# KiCad board PSU.kicad_pcb
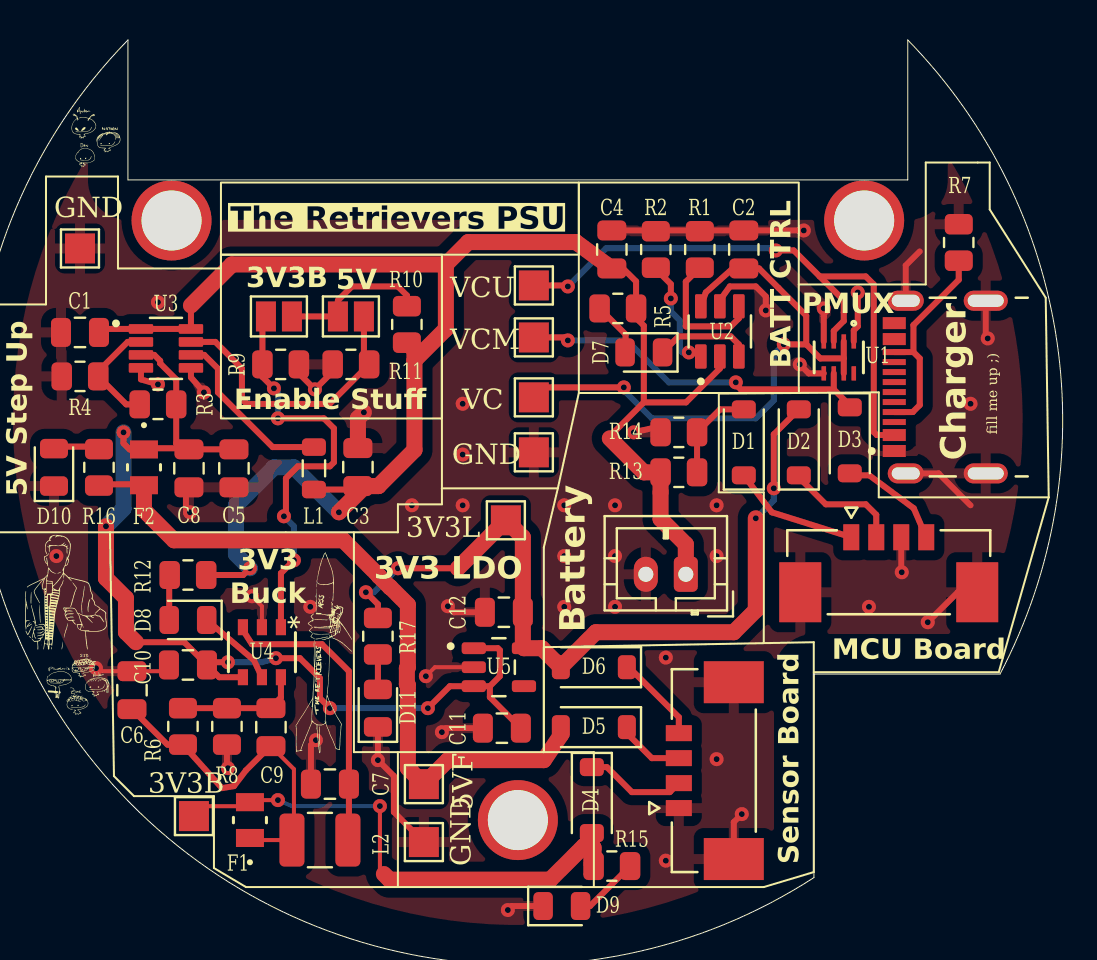
[diagram p0: board, top side]
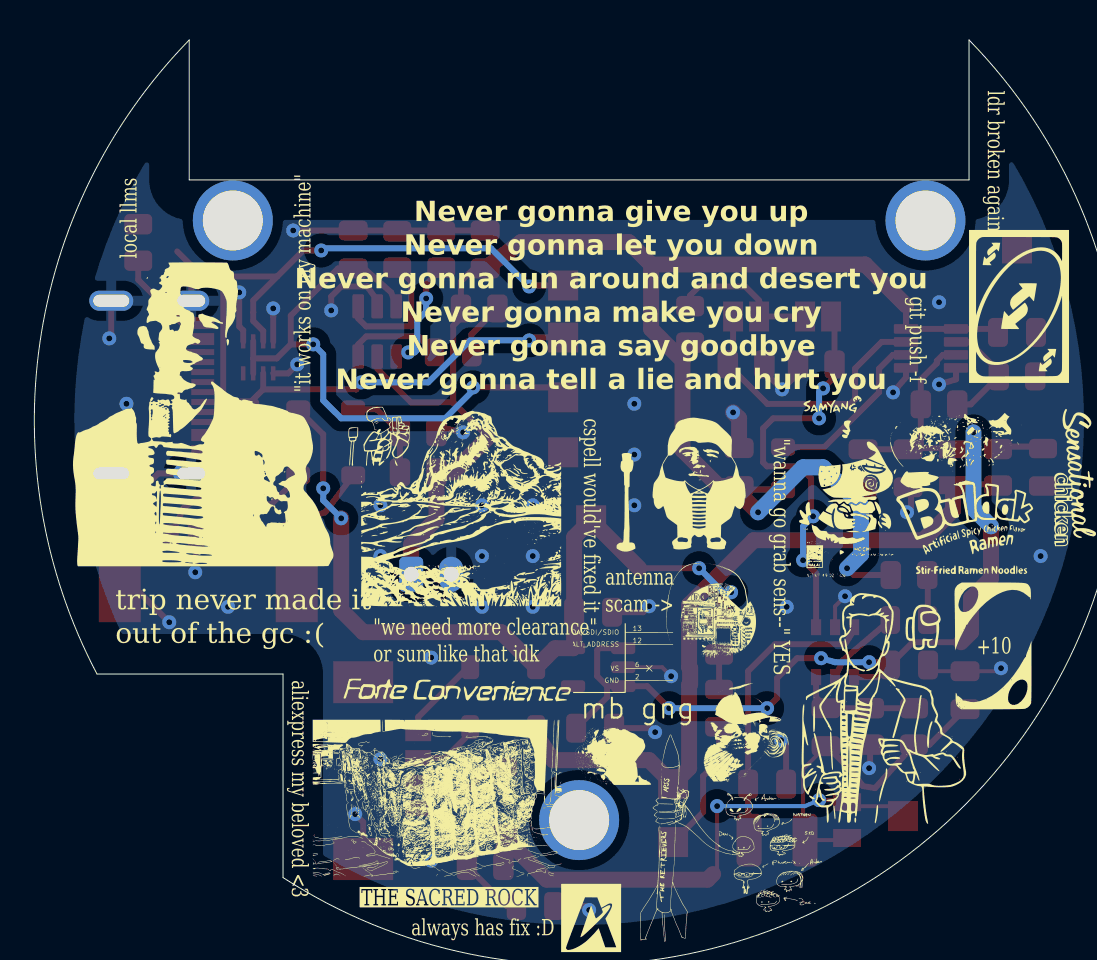
[diagram p1: board, bottom side, seen from below]

Outline 54.5 x 46.28 mm; copper layers: Top, Bottom (plane). Coordinates in mm from the lower left corner of the outline.
Outline path: 7.74,39.29 7.74,46.29 arc(6.16,9.99) 42.05,4.38 42.05,14.56 51.36,14.56 arc(54.21,31.18) 46.74,46.29 46.74,39.29 7.74,39.29
Stack: Top 0.035mm / dielectric 1.51mm FR4 er 4.5 / Bottom 0.035mm

## Placement (name value [footprint] x y rotation side)
3V3_Buck_TP1  TestPoint  [TestPoint_Pad_1.5x1.5mm]  11.04 7.45 0 top
3V3_LDO_TP1  TestPoint  [TestPoint_Pad_1.5x1.5mm]  26.64 22.25 0 top
5V_TP1  TestPoint  [TestPoint_Pad_1.5x1.5mm]  22.54 9.05 0 top
C1  22uF  [C_0805_2012Metric]  5.34 31.65 180 top
C2  1uF  [C_0805_2012Metric]  38.54 35.8 90 top
C3  22uF  [C_0805_2012Metric]  19.24 24.92 270 top
C4  1uF  [C_0805_2012Metric]  31.94 35.8 90 top
C5  22uF  [C_0805_2012Metric]  13.04 24.85 90 top
C6  22uF  [C_0805_2012Metric]  7.94 13.75 270 top
C7  22uF  [C_0805_2012Metric]  17.84 9.05 0 top
C8  22uF  [C_0805_2012Metric]  10.79 24.85 270 top
C9  22pF  [C_0805_2012Metric]  14.89 11.9 90 top
C10  22uF  [C_0805_2012Metric]  10.74 15.02 180 top
C11  1uF  [C_0805_2012Metric]  26.44 11.85 180 top
C12  1uF  [C_0805_2012Metric]  26.54 17.65 180 top
D1  D_Schottky  [D_SOD-123]  38.54 26.15 90 top
D2  D_Schottky  [D_SOD-123]  41.29 26.15 90 top
D3  D_Schottky  [D_SOD-123]  43.84 26.25 270 top
D4  D_Schottky  [D_SOD-123]  30.94 8.25 270 top
D5  D_Schottky  [D_SOD-123]  31.04 11.9 180 top
D6  D_Schottky  [D_SOD-123]  31.04 14.9 180 top
D7  Green  [LED_0805_2012Metric]  33.54 30.65 180 top
D8  Green  [LED_0805_2012Metric]  10.74 17.27 180 top
D9  Green  [LED_0805_2012Metric]  29.44 2.95 0 top
D10  Green  [LED_0805_2012Metric]  4.04 24.9 90 top
D11  Green  [LED_0805_2012Metric]  20.24 12.85 90 top
EN_3V3  EN_5  [SolderJumper-2_P1.3mm_Open_Pad1.0x1.5mm]  15.29 32.45 0 top
EN_5  EN_5  [SolderJumper-2_P1.3mm_Open_Pad1.0x1.5mm]  18.89 32.45 180 top
F1  1.5A  [FUS_VISHAY_MFU0805_VIS]  13.84 7.25 90 top
F2  1.5A  [FUS_VISHAY_MFU0805_VIS]  8.54 24.9 270 top
G***  -  [LOGO]  4.32 18.85 0 top
G***#2  -  [LOGO]  6.99 39.83 0 top
G***#3  -  [LOGO]  17.44 15.45 0 top
G***#4  -  [LOGO]  5.38 15.13 0 top
G***#5  -  [LOGO]  36.64 26.75 180 bottom
G***#6  -  [LOGO]  33.09 13.71 180 bottom
G***#7  -  [LOGO]  6.54 15.95 180 bottom
G***#8  -  [LOGO]  18.94 11.65 180 bottom
G***#9  -  [LOGO]  25.04 15.05 180 bottom
G***#10  -  [LOGO]  33.14 22.95 180 bottom
G***#11  -  [LOGO]  19.68 5.31 180 bottom
G***#12  -  [LOGO]  10.04 16.85 180 bottom
G***#13  -  [LOGO]  21.24 24.25 180 bottom
G***#14  -  [LOGO]  10.24 23.75 180 bottom
G***#15  -  [LOGO]  20.57 17.26 0 bottom
G***#16  -  [LOGO]  34.33 7.99 180 bottom
G***#17  -  [LOGO]  2.45 20.33 270 bottom
G***#18  -  [LOGO]  46.38 27.55 180 bottom
G***#19  -  [LOGO]  5.24 32.95 180 bottom
G***#20  -  [LOGO]  12.64 13.25 180 bottom
G***#21  -  [LOGO]  26.15 10.46 180 bottom
G***#22  -  [LOGO]  26.64 2.35 180 bottom
GND_TP1  TestPoint  [TestPoint_Pad_1.5x1.5mm]  28.04 25.65 0 top
GND_TP2  TestPoint  [TestPoint_Pad_1.5x1.5mm]  5.34 35.85 0 top
GND_TP3  TestPoint  [TestPoint_Pad_1.5x1.5mm]  22.54 6.15 0 top
H1  MountingHole  [MountingHole_3mm_Pad]  9.92 37.25 0 top
H2  MountingHole  [MountingHole_3mm_Pad]  44.56 37.25 0 top
H3  MountingHole  [MountingHole_3mm_Pad]  27.24 7.25 0 top
J1  533980471  [MOLEX_533980471]  37.04 9.73 270 top
J2  533980471  [MOLEX_533980471]  45.79 19.65 180 top
J3  UJ20-C-H-G-SMT-1-P16-TR  [SAMESKY_UJ20-C-H-G-SMT-P16-TR]  50.64 28.92 90 top
J4  B2B-PH-K-S  [JST_PH_B2B-PH-K_1x02_P2.00mm_Vertical]  35.64 19.55 180 top
L1  1u5H  [L_0805_2012Metric]  17.04 24.85 90 top
L2  2u2H  [L_1210_3225Metric]  17.34 6.25 0 top
R1  560  [R_0805_2012Metric]  36.34 35.8 90 top
R2  10K  [R_0805_2012Metric]  34.14 35.8 90 top
R3  30K  [R_0805_2012Metric]  9.24 28.05 180 top
R4  270K  [R_0805_2012Metric]  5.34 29.45 180 top
R5  1K5  [R_0805_2012Metric]  32.24 32.85 180 top
R6  115K  [R_0805_2012Metric]  10.49 11.94 270 top
R7  22K  [R_0805_2012Metric]  49.29 36.15 90 top
R8  25.5K  [R_0805_2012Metric]  12.69 11.94 270 top
R9  1Meg  [R_0805_2012Metric]  15.38 30.05 0 top
R10  1k5  [R_0805_2012Metric]  21.69 32.05 90 top
R11  1Meg  [R_0805_2012Metric]  18.89 30.05 180 top
R12  1K5  [R_0805_2012Metric]  10.74 19.52 0 top
R13  470k  [R_0805_2012Metric]  35.29 24.65 0 top
R14  220k  [R_0805_2012Metric]  35.29 26.65 180 top
R15  10k  [R_0805_2012Metric]  31.94 4.95 0 top
R16  10k  [R_0805_2012Metric]  6.29 24.9 90 top
R17  10k  [R_0805_2012Metric]  20.24 16.45 270 top
U1  LM66200DRLR  [SOT-5X3_DRL_TEX]  43.29 30.4 270 top
U2  -  [BQ21040DBVR]  37.34 31.7 90 top
U3  -  [RT4812GJ8F]  9.64 30.85 0 top
U4  AP3445LW6-7  [SOT26_AP3445_DIO-L]  14.44 15.65 270 top
U5  TLV75733PDBVR  [SOT95P280X145-5N]  26.29 14.9 0 top
Vcharger_MCU_TP1  TestPoint  [TestPoint_Pad_1.5x1.5mm]  28.04 31.4 0 top
Vcharger_TP1  TestPoint  [TestPoint_Pad_1.5x1.5mm]  28.04 28.4 0 top
Vcharger_USB_TP1  TestPoint  [TestPoint_Pad_1.5x1.5mm]  28.04 34 0 top

## Library data of the parts
3V3_Buck_TP1 3V3_LDO_TP1 5V_TP1 GND_TP1-GND_TP3 Vcharger_MCU_TP1 Vcharger_TP1 Vcharger_USB_TP1 = -: Description: test point; ki_fp_filters: Pin* Test*
C1-C12 = -: Description: Unpolarized capacitor; ki_fp_filters: C_*
D1-D6 = -: Description: Schottky diode; ki_fp_filters: TO-???* *_Diode_* *SingleDiode* D_*
D7-D11 = -: Description: Light emitting diode; Sim.Pins: 1=K 2=A; ki_fp_filters: LED* LED_SMD:* LED_THT:*
EN_3V3 EN_5 = -: Description: Solder Jumper, 2-pole, open; ki_fp_filters: SolderJumper*Open*
F1 F2 = -: Description: Fuse, small symbol; ki_fp_filters: *Fuse*
H1-H3 = -: Description: Mounting Hole without connection; ki_fp_filters: MountingHole*
J1 J2 = -: MANUFACTURER: Molex; MAXIMUM_PACKAGE_HEIGHT: 4.7 mm; STANDARD: Manufacturer Recommendations; PARTREV: A
J3 = -: STANDARD: Manufacturer Recommendations; MAXIMUM_PACKAGE_HEIGHT: 3.46mm; MANUFACTURER: Same Sky; PARTREV: 1.0
J4 = -: MANUFACTURER: JST
L1 L2 = -: Description: Inductor; ki_fp_filters: Choke_* *Coil* Inductor_* L_*
R1-R17 = -: Description: Resistor; ki_fp_filters: R_*
U1 = -: Datasheet: https://www.ti.com/lit/gpn/lm66200; ki_fp_filters: SOT-5X3_DRL_TEX SOT-5X3_DRL_TEX-M SOT-5X3_DRL_TEX-L
U3 = -: MANUFACTURER: Richtek Technology; MAXIMUM_PACKAGE_HEIGHT: 1.0 mm; STANDARD: IPC 7351B; PARTREV: March 2019
U4 = -: ki_fp_filters: SOT26_AP3445_DIO SOT26_AP3445_DIO-M SOT26_AP3445_DIO-L
U5 = -: Datasheet: https://www.ti.com/cn/lit/gpn/tlv757p; Description: Output Type:Fixed Voltage - Supply:5.5V Output Voltage:3.3V Output Voltage:3.3V Output Current:1A Power Supply Rejection Ratio (PSRR):46dB@(100kHz) Voltage Dropout:650mV@(1A) standby current:40uA Noise:71.5uVrms Features:Under Voltage Lockout；Soft Start；O; LCSC Part Name: 具有使能功能的 1A、低 IQ、高精度、低压降稳压器; Supplier: LCSC; Supplier Part: C485517; Manufacturer: TI(德州仪器)

## Footprints (pads in the part's own frame, mm; a bottom-side part is the same pattern mirrored in y, then rotated)
BQ21040DBVR
  rrect 1.21x0.58 smd: 1(-1.255,0.95) 2(-1.255,0) 3(-1.255,-0.95) 4(1.255,-0.95) 5(1.255,0) 6(1.255,0.95)
C_0805_2012Metric
  rrect 1x1.45 smd: 1(-0.95,0) 2(0.95,0)
D_SOD-123
  rrect 0.9x1.2 smd: 1(-1.65,0) 2(1.65,0)
FUS_VISHAY_MFU0805_VIS
  rect 0.902x1.397 smd: 1(-0.895,0) 2(0.895,0)
JST_PH_B2B-PH-K_1x02_P2.00mm_Vertical
  rrect 1.2x1.75 hole 0.75: 1(0,0)
  oval 1.2x1.75 hole 0.75: 2(2,0)
L_0805_2012Metric
  rrect 0.875x1.2 smd: 1(-1.062,0) 2(1.062,0)
L_1210_3225Metric
  rrect 1.25x2.65 smd: 1(-1.4,0) 2(1.4,0)
LED_0805_2012Metric
  rrect 0.975x1.4 smd: 1(-0.938,0) 2(0.938,0)
MOLEX_533980471
  rect 0.8x1.3 smd: 1(1.875,-1.75) 2(0.625,-1.75) 3(-0.625,-1.75) 4(-1.875,-1.75)
  rect 2.1x3 smd: S1(-4.425,1) S2(4.425,1)
MountingHole_3mm_Pad
  round 4 hole 3: 1(0,0)
R_0805_2012Metric
  rrect 1.025x1.4 smd: 1(-0.912,0) 2(0.912,0)
RT4812GJ8F
  rrect 1.22x0.48 smd: 1(-1.25,0.975) 2(-1.25,0.325) 3(-1.25,-0.325) 4(-1.25,-0.975) 5(1.25,-0.975) 6(1.25,-0.325) 7(1.25,0.325) 8(1.25,0.975)
SAMESKY_UJ20-C-H-G-SMT-P16-TR
  rect 0.6x1.15 smd: A1_B12(-3.2,4.575) A4_B9(-2.4,4.575) A9_B4(2.4,4.575) A12_B1(3.2,4.575)
  rect 0.3x1.15 smd: A5(-1.25,4.575) A6(-0.25,4.575) A7(0.25,4.575) A8(1.25,4.575) B5(1.75,4.575) B6(0.75,4.575) B7(-0.75,4.575) B8(-1.75,4.575)
  oval 1x1.8 hole 0.6x1.4: SH1(-4.32,4) SH3(4.32,4)
  oval 1x2.2 hole 0.6x1.8: SH2(-4.32,0) SH4(4.32,0)
SolderJumper-2_P1.3mm_Open_Pad1.0x1.5mm
  rect 1x1.5 smd: 1(-0.65,0) 2(0.65,0)
SOT26_AP3445_DIO-L
  rect 0.8x0.508 smd: 1(-1.251,0.95) 2(-1.251,0) 3(-1.251,-0.95) 4(1.251,-0.95) 5(1.251,0) 6(1.251,0.95)
SOT95P280X145-5N
  rrect 1.21x0.59 smd: 1(-1.255,0.95) 2(-1.255,0) 3(-1.255,-0.95) 4(1.255,-0.95) 5(1.255,0.95)
SOT-5X3_DRL_TEX
  rect 0.711x0.229 smd: 1(-0.8,0.75) 2(-0.8,0.25) 3(-0.8,-0.25) 4(-0.8,-0.75) 5(0.8,-0.75) 6(0.8,-0.25) 7(0.8,0.25) 8(0.8,0.75)
TestPoint_Pad_1.5x1.5mm
  rect 1.5x1.5 smd: 1(0,0)

## Nets
+3V3_Buck: 3V3_Buck_TP1.1 D4.2 F1.2 R15.1
+3V3_LDO: 3V3_LDO_TP1.1 C12.1 D2.2 D6.2 R17.1 U5.5
+5VF: 5V_TP1.1 D5.2 F2.2 R16.1
+5VU: C5.2 C8.1 C10.1 C11.1 F2.1 R3.1 U3.3 U4.4 U5.1 U5.3
GND: C1.2 C2.2 C3.1 C4.2 C5.1 C6.1 C7.1 C8.2 C10.2 C11.2 C12.2 D9.1 D10.1 D11.1 GND_TP1.1 GND_TP2.1 GND_TP3.1 J1.1 J1.S1 J1.S2 J2.3 J2.S1 J2.S2 J3.A1_B12 J3.SH1 J3.SH2 J3.SH3 J3.SH4 J4.2 R1.2 R2.2 R4.2 R7.2 R8.2 R9.2 R11.2 R14.2 U1.1 U1.4 U1.5 U2.5 U3.4 U3.5 U4.2 U5.2
Vbat: C1.1 C3.2 C4.1 J4.1 L1.1 R5.1 R10.1 R12.2 R13.1 U2.2 U3.1 U3.8
/Bat_ADC: D1.2 R13.2 R14.1
EN_3.3: EN_3V3.1 R9.1 U4.1
EN_5: EN_5.1 R11.1 U3.7
Vcharger: C2.1 U1.2 U1.7 U2.6 Vcharger_TP1.1
Vcharger_MCU: D3.1 U1.6 Vcharger_MCU_TP1.1
Vcharger_USB: J3.A4_B9 U1.3 Vcharger_USB_TP1.1
Net-(C6-Pad2): C6.2 C9.1 F1.1 L2.1 R6.2
Net-(D1-K): D1.1 J2.1
Net-(D2-K): D2.1 J2.2
Net-(D3-A): D3.2 J2.4
Net-(D4-K): D4.1 J1.2
Net-(D5-K): D5.1 J1.3
Net-(D6-K): D6.1 J1.4
Net-(D7-A): D7.2 R5.2
Net-(D7-K): D7.1 U2.3
Net-(D8-A): D8.2 R12.1
Net-(D8-K): D8.1 U4.5
Net-(D9-A): D9.2 R15.2
Net-(D10-A): D10.2 R16.2
Net-(D11-A): D11.2 R17.2
Net-(EN_3V3-B): EN_3V3.2 EN_5.2 R10.2
Net-(J3-CC1): J3.A5 J3.B5 R7.1
Net-(U2-ISET): R1.1 U2.4
Net-(U2-TS): R2.1 U2.1
Net-(U3-FB): R3.2 R4.1 U3.2
Net-(U3-SW): L1.2 U3.6
Net-(U4-FB): C9.2 R6.1 R8.1 U4.6
Net-(U4-LX): C7.2 L2.2 U4.3

Pads without a net: H1 1; H2 1; H3 1; J3 A6 A7 A8 A9_B4 A12_B1 B6 B7 B8; U1 8; U5 4

## Via types
v1: diameter 0.7, hole 0.3, Top to Bottom, 70 vias

## Routing (per net, layer and track width the routed paths; a pad name or vN(x,y) marks a point on that pad's centre or on a via; arc(x,y) is an arc through that point)
+3V3_Buck: length 26.4
  Top w0.2: 30.63,4.55 R15.1 ; 20.54,4.55 20.34,4.75 v1(20.34,7.95) ; 11.31,7.8 11.46,7.95 13.64,7.95 F1.2 13.95,8.25 v1(15.24,8.25)
  Top w0.8: 30.93,5.05 R15.1 31.03,5.87 30.94,5.95 ; D4.2 30.94,5.95 ; 30.94,5.95 30.54,5.95 28.86,4.27 20.83,4.27 20.54,4.55
  Bottom w0.2: v1(15.24,8.25) 15.94,7.95 v1(20.34,7.95)
+3V3_LDO: length 40.9
  Top w0.3: R17.1 20.24,18.05 v1(19.64,18.65) ; v1(40.04,23.85) 40.04,26.55 D2.2 ; v1(21.24,19.85) 24.24,19.85
  Top w0.8: v1(39.14,22.35) 39.14,17.75 38.04,16.65 31.14,16.65 D6.2 28.44,15.85 U5.5 27.49,15.91 C12.1 27.49,21.4 3V3_LDO_TP1.1 24.24,19.85
  Bottom w0.3: v1(40.04,23.85) 40.04,23.25 v1(39.14,22.35) ; v1(19.64,18.65) 20.04,18.65 v1(21.24,19.85)
+5VF: length 36.5
  Top w0.3: F2.2 8.48,24.01 8.43,24.05 6.31,24.05 6.29,24.04 R16.1
  Top w0.8: F2.2 8.54,22.76 10.05,21.25 18.52,21.25 20.29,19.48 20.29,19.46 20.85,18.9 20.87,18.9 21.74,18.03 21.74,14.9 21.69,14.85 21.69,14.06 21.74,14.01 21.74,9.85 5V_TP1.1 23.74,10.25 28.54,10.25 29.39,11.5 D5.2
+5VU: length 52.4
  Top w0.3: 25.84,13.95 U5.3 23.84,13.95 v1(22.74,12.85) ; 25.84,13.95 26.34,14.45 26.34,15.75 26.24,15.85 U5.1 ; 25.84,13.95 25.84,13.4 C11.1 ; F2.1 7.83,25.8 7.52,26.11 v1(7.52,26.65) ; v1(12.74,15.15) 11.83,15.15 C10.1 ; C10.1 10.56,16.15 8.14,16.15 ; C10.1 12.31,14.4 U4.4 ; C10.1 11.64,14.97 ; 8.24,25.86 10.39,25.86 10.44,25.8 ; 10.44,25.8 10.16,26.09 R3.1 10.16,29.3 9.36,30.11 9.36,30.23 9.06,30.53 U3.3 ; 10.44,25.8 12.84,25.8 ; v1(17.84,12.85) 17.34,13.35 17.34,14.35 16.34,15.35 v1(15.14,15.35)
  Top w0.8: v1(6.64,21.95) 6.64,19.35 7.64,18.35 7.64,16.65 8.14,16.15 ; 27.44,11.9 C11.1
  Bottom w0.3: v1(17.84,12.85) v1(22.74,12.85) ; v1(15.14,15.35) 14.44,15.15 v1(12.74,15.15)
  Bottom w0.8: v1(6.64,21.95) 7.52,22.83 v1(7.52,26.65)
GND: length 70.2
  Top w0.2: C10.2 9.48,14.7 C6.1 6.29,14.7 v1(6.14,14.85) ; U5.2 23.09,14.9 v1(22.64,14.45) ; U4.2 14.44,17.95 v1(13.94,18.45)
  Top w0.3: U1.1 44.04,31.75 44.24,31.95 v1(44.24,33.65) ; v1(9.24,29.05) 8.39,29.3 U3.4 ; 47.34,35.7 46.64,35 J3.SH3 ; J3.SH4 50.64,31.45 v1(50.74,31.35) ; v1(41.34,30.05) 41.79,29.6 U1.5 ; R11.2 17.98,29.69 v1(17.09,28.8) 16.29,29.6 R9.2 ; R14.2 34.38,26.69 34.17,26.91 v1(33.04,26.65) ; v1(39.64,32.75) 39.64,33.45 39.14,33.95 37.84,33.95 37.34,33.26 U2.5 ; v1(47.74,17.15) 49.24,18.65 J2.S1 ; 49.88,23 48.29,24.6 J3.SH1 ; v1(46.44,19.65) 46.42,19.68 J2.3 ; C12.2 24.04,17.65 v1(23.74,17.95) ; D9.1 26.94,2.95 v1(26.74,2.75) ; v1(11.54,28.65) 10.89,29.4 U3.5 ; v1(12.74,9.85) 12.69,9.9 R8.2 ; v1(42.54,32.85) 42.54,32.45 U1.4 ; C8.2 10.64,23.75 10.64,22.85 v1(10.84,22.65) ; v1(38.44,7.55) 38.04,7.15 J1.S2 ; v1(41.54,36.75) C2.2 C4.2 ; v1(17.14,11.25) 16.89,11 C7.1 ; GND_TP3.1 21.05,7.65 21.05,9.45 v1(20.24,10.25) D11.1 ; v1(23.44,11.65) 23.64,11.85 C11.2
  Top w0.8: C3.1 19.24,27.35 v1(19.54,27.65)
  vias: v1(4.16,20.46) v1(9.24,33.16) v1(16.86,17.92) v1(21.94,23) v1(24.48,28.08) v1(24.48,25.54) v1(24.48,23) v1(29.56,23) v1(29.56,20.46) v1(29.56,17.92) v1(32.1,23) v1(32.1,20.46) v1(32.1,17.92) v1(34.64,15.38) v1(34.64,5.22) v1(37.18,23) v1(37.18,20.46) v1(37.18,10.3) v1(44.8,17.92) v1(49.88,28.08)
Vbat: length 84.6
  Top w0.3: v1(13.84,19.85) 13.51,19.52 R12.2 ; 33.54,28.15 35.65,28.15 37.34,29.84 37.34,30.45 ; 33.54,28.15 31.84,26.45 31.84,26.35 ; 33.54,28.15 33.54,31.99 33.16,32.38 R5.1 33.16,34.2 32.51,34.85 C4.1 ; 10.89,33 U3.8 U3.1 6.47,31.83 C1.1 ; C3.2 19.07,23.79 17.24,23.79
  Top w0.8: 22.07,30.25 22.07,30.76 R10.1 ; 22.07,30.25 22.07,25.77 20.27,23.97 ; 22.07,30.25 23.64,31.83 23.64,35.05 ; 20.27,23.97 C3.2 ; 20.27,23.97 19.61,23.97 v1(18.29,22.65) ; 31.84,26.35 33.54,24.65 R13.1 34.38,22.32 35.64,21.05 J4.1 ; 23.64,35.05 12.94,35.05 10.89,33 ; 23.64,35.05 24.77,36.18 30.14,36.18 C4.1
  Bottom w0.8: v1(13.84,19.85) 13.14,20.55 13.14,23 15.04,24.9 16.04,24.9 v1(18.29,22.65)
/Bat_ADC: length 4.8
  Top w0.3: D1.2 37.36,27.8 R14.1 R13.2
EN_3.3: length 21
  Top w0.3: EN_3V3.1 14.47,32.28 R9.1 14.47,29.43 v1(15.04,28.85) ; v1(15.24,27.35) 17.54,27.35 18.04,26.85 18.04,25.15 17.84,24.95 16.24,24.95 15.64,24.35 15.64,22.55 v1(15.54,22.45) 15.44,22.55 ; v1(16.04,20.25) 15.39,19.6 U4.1
  Bottom w0.3: v1(15.24,27.35) 15.24,28.65 v1(15.04,28.85) ; v1(16.04,20.25) 16.04,21.95 v1(15.54,22.45)
EN_5: length 14.4
  Top w0.3: 10.89,31.18 12.11,31.18 13.44,29.85 13.44,28.32 13.68,28.08 17.83,28.08 R11.1 19.54,30.32 EN_5.1
Vcharger: length 29.8
  Top w0.3: v1(40.54,31.06) 41.67,31.06 ; 41.67,31.06 41.67,32.49 39.31,34.85 C2.1 37.99,34.85 36.64,33.65 U2.6 ; 41.67,31.06 42.37,30.35 43.54,30.35 ; v1(32.54,28.9) 28.54,28.9 Vcharger_TP1.1 ; 43.54,30.35 U1.7 ; 43.54,30.35 U1.2
  Bottom w0.3: v1(32.54,28.9) 32.54,28.75 33.94,27.35 39.14,27.35 40.04,28.25 40.04,30.56 v1(40.54,31.06)
Vcharger_MCU: length 18.2
  Top w0.3: Vcharger_MCU_TP1.1 29.59,31.4 v1(29.74,31.25) ; 43.04,28.8 43.84,28 D3.1 ; 43.04,28.8 38.39,28.8 38.24,28.95 38.24,29.05 v1(38.14,29.15) ; 43.04,28.8 U1.6
  Bottom w0.3: v1(38.14,29.15) 34.79,29.15 32.69,31.25 v1(29.74,31.25)
Vcharger_USB: length 31
  Top w0.3: Vcharger_USB_TP1.1 29.69,34 v1(29.74,33.95) ; U1.3 43.04,31.73 43.54,32.23 43.54,33.25 42.34,34.45 ; J3.A4_B9 45.19,26.52 45.04,26.67 45.04,34.05 44.64,34.45 42.34,34.45 ; 42.34,34.45 41.04,35.75 v1(40.14,35.75)
  Bottom w0.3: v1(29.74,33.95) 31.66,35.87 40.03,35.87 v1(40.14,35.75)
Net-(C6-Pad2): length 17.1
  Top w0.2: C9.1 16.04,9.8 16.04,6.45 15.94,6.35 L2.1 13.94,6.25 13.84,6.35 F1.1
  Top w0.3: R6.2 12.44,8.85 13.04,8.95 13.64,9.74 14.89,10.99 ; R6.2 9.72,11.03 C6.2 ; R6.2 10.37,10.9
Net-(D1-K): length 6.5
  Top w0.3: J2.1 39.94,22.65 D1.1
Net-(D2-K): length 5.9
  Top w0.3: J2.2 45.17,22.53 44.64,23.05 42.64,23.05 41.29,24.4 D2.1
Net-(D3-A): length 5.4
  Top w0.3: J2.4 47.04,22.85 44.82,24.5 43.94,24.5 D3.2
Net-(D4-K): length 5.1
  Top w0.3: J1.2 34.84,8.65 32.94,8.65 31.69,9.9 D4.1
Net-(D5-K): length 3.4
  Top w0.3: D5.1 32.69,11.6 33.94,10.35 J1.3
Net-(D6-K): length 4.4
  Top w0.3: D6.1 32.79,14.9 35.29,12.4 J1.4
Net-(D7-A): length 2.7
  Top w0.3: D7.2 32.63,30.68 32.63,31.55 R5.2
Net-(D7-K): length 4.9
  Top w0.3: 38.29,30.45 38.29,31.05 37.89,31.45 35.28,31.45 D7.1
Net-(D8-A): length 2.3
  Top w0.3: R12.1 9.81,19.49 D8.2
Net-(D8-K): length 4
  Top w0.3: U4.5 14.04,15.25 D8.1
Net-(D9-A): length 3.3
  Top w0.3: R15.2 30.86,2.95 D9.2
Net-(D10-A): length 2.4
  Top w0.3: R16.2 6.24,25.87 6.24,25.88 6.18,25.94 4.14,25.94 D10.2
Net-(D11-A): length 1.8
  Top w0.3: R17.2 D11.2
Net-(EN_3V3-B): length 7.6
  Top w0.3: EN_3V3.2 EN_5.2 18.24,33.25 18.94,33.95 21.24,33.95 21.69,33.5 R10.2
Net-(J3-CC1): length 10.7
  Top w0.3: 47.03,30.67 47.03,32.02 49.29,34.29 R7.1 ; 47.03,30.67 47.34,30.35 47.34,28.02 47,27.67 J3.A5 ; 47.03,30.67 J3.B5
Net-(U2-ISET): length 6.6
  Top w0.3: U2.4 38.29,32.35 37.89,31.95 35.64,31.95 35.64,34.19 R1.1
Net-(U2-TS): length 5.8
  Top w0.3: v1(35.79,30.65) 36.19,30.65 36.39,30.45 ; v1(34.9,33.35) 34.9,34.07 34.14,34.82 R2.1
  Bottom w0.3: v1(34.9,33.35) 34.9,32.7 35.34,32.25 35.34,30.78 35.47,30.65 v1(35.79,30.65)
Net-(U3-FB): length 6.1
  Top w0.3: 8.39,31.18 7.73,31.18 6.26,29.71 R4.1 ; 6.56,29.75 R4.1 ; R4.1 7.66,28.05 R3.2
Net-(U3-SW): length 8.8
  Top w0.3: U3.6 11.56,30.53 12.24,29.84 12.24,28.65 14.98,25.92 L1.2
Net-(U4-FB): length 6.1
  Top w0.3: U4.6 15.39,13.39 14.86,12.85 R8.1 R6.1
Net-(U4-LX): length 14.9
  Top w0.3: L2.2 18.74,6.35 18.79,6.4 C7.2 18.79,14.7 17.44,16.05 13.94,16.05 13.49,16.76 U4.3

## Copper pours and planes (outline as drawn; the poured copper is in the pictures)
GND on Top, Bottom: -3.46,47.9 -3.46,-4.6 56.79,-3.6 56.54,48.4

## Text on the board
B.Silkscreen: mb gng | +10 | antenna / scam -> | always has fix :D | {dblquote}we need more clearance{dblquote} / or sum like that idk | THE SACRED ROCK | ldr broken again | git push -f | {dblquote}wanna go grab sens--{dblquote} YES | cspell would've fixed it | aliexpress my beloved <3 | {dblquote}it works on my machine{dblquote} | local llms | trip never made it / out of the gc :( | Never gonna give you up / Never gonna let you down / Never gonna run around and desert you / Never gonna make you cry / Never gonna say goodbye / Never gonna tell a lie and hurt you
F.Silkscreen: fill me up ;) | GND | 3V3B | 3V3L | VCU | VCM | VC | 5VF | Enable Stuff | 5V | PMUX | MCU Board | 3V3 / Buck | 5V Step Up | BATT CTRL | Sensor Board | The Retrievers PSU | 3V3 LDO | Charger | Battery
